# KiCad board mainboard.kicad_pcb (continued)
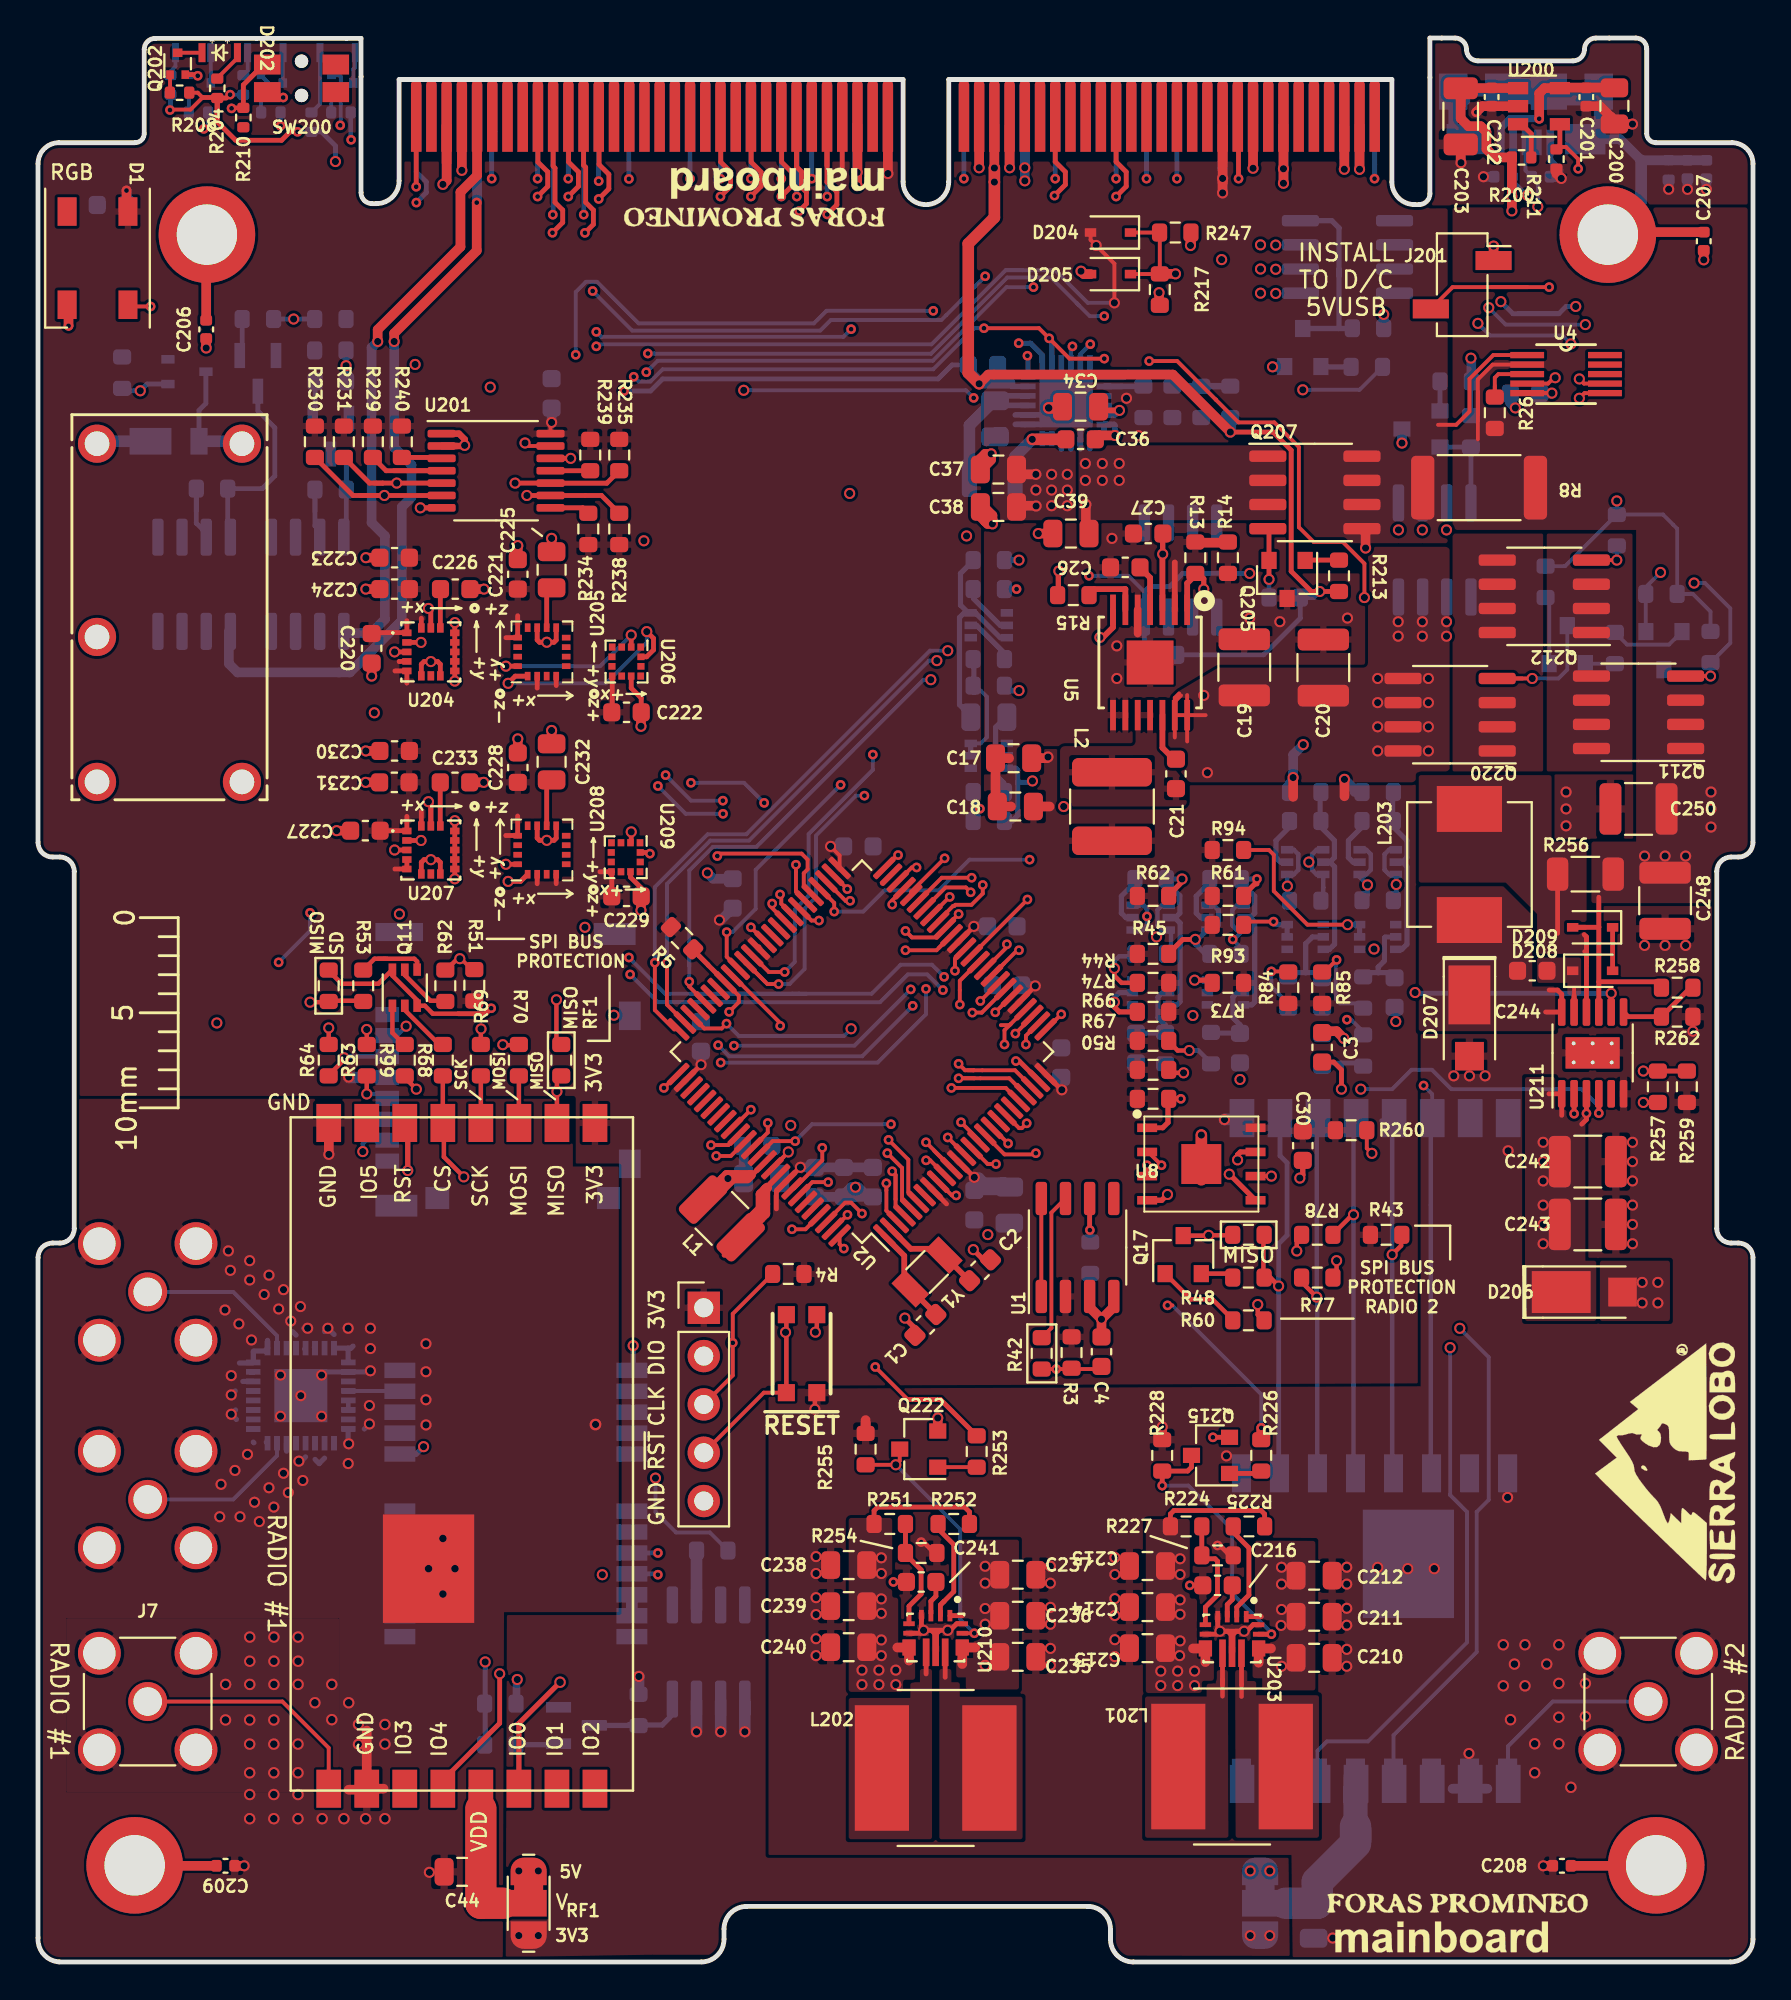
[diagram p0: board, top side]
## Routing (per net, layer and track width the routed paths; a pad name or vN(x,y) marks a point on that pad's centre or on a via; arc(x,y) is an arc through that point) (continued)
  Bottom w0.254: 28.7,96.56 28.7,94.47 ; 28.7,94.47 28.7,91.85 ; 28.7,94.47 28.7,94.67
PC03: length 67.6
  Top w0.203: 28.69,90.84 v3(28.76,90.9) ; v3(44.72,43.22) 45.76,42.18 45.76,40.47 U2.6
  Top w0.254: v3(28.76,90.9) 29.2,91.35 29.2,92.1 28.79,92.51 28.79,94.35 28.68,94.46 P1.24
  In2.Cu w0.203: v3(28.76,90.9) 31.56,90.9 35.28,87.18 35.28,80.85 35.47,80.66 ; 35.47,80.63 35.49,80.62 35.49,60.11 36.53,59.07 36.53,57.21 35.28,55.97 35.28,54.26 38.76,50.79 39.76,50.79 43.64,46.91 43.64,44.3 v3(44.72,43.22)
PC05: length 71.3
  Top w0.203: v3(48.02,45.95) 50.88,45.95 U2.21
  In2.Cu w0.203: v3(36.02,60.36) 36.86,59.52 36.86,57.66 37.68,56.83 37.68,54.93 46.67,45.95 v3(48.02,45.95) ; 25.78,92.38 25.78,89.15 ; 25.78,92.38 25.78,89.01 26.47,88.33 29.96,88.33 32.59,85.7 32.59,63.6 32.34,63.35 32.34,62.08 v3(32.59,61.82) ; 25.78,92.38 25.78,93.27 v3(26.27,93.75)
  Bottom w0.203: v3(32.59,61.82) 34.05,60.36 v3(36.02,60.36)
  Bottom w0.254: v3(26.27,93.75) 26.27,96.55 P1.17
PC06: length 70.3
  Top w0.203: U2.22 51.45,46.09 51.44,46.09 51.07,46.46 49.23,46.46 ; 49.23,46.46 48.59,46.46 ; 49.23,46.46 v3(48.4,46.46)
  Top w0.254: P1.18 26.28,94.62 26.8,94.11 26.8,93.34 v3(26.27,92.81)
  In2.Cu w0.203: v3(36.01,61.05) 37.19,59.87 37.19,57.79 38.01,56.97 38.01,55.19 46.75,46.46 v3(48.4,46.46) ; v3(26.27,92.81) 26.23,92.77 26.23,91.27 ; 26.23,91.27 26.23,89.33 26.9,88.66 28.68,88.66 ; 26.23,91.27 26.23,89.71 ; 28.12,88.66 28.68,88.66 ; 28.68,88.66 30.33,88.66 33,85.99 v3(33,62.4)
  Bottom w0.203: v3(33,62.4) 34.34,61.05 v3(36.01,61.05)
PC07: length 67.4
  Top w0.203: 49.19,46.88 48.74,46.88 v3(48.4,47.22) ; 49.19,46.88 48.89,46.88 ; 49.19,46.88 51.37,46.88 U2.23
  In2.Cu w0.203: v3(27.88,93.75) 27.4,93.27 27.4,92.26 27.55,92.1 27.55,90.02 27.92,89.65 30.99,89.65 34.24,86.4 34.24,62.08 v3(34.33,61.99) ; v3(48.4,47.22) 46.56,47.22 39.54,54.24 39.54,56.84 38.18,58.2 v3(38.18,60.93)
  Bottom w0.203: v3(38.18,60.93) 37.12,61.99 v3(34.33,61.99)
  Bottom w0.254: v3(27.88,93.75) 27.88,96.55
PC10: length 55.7
  Top w0.203: 47.37,53.31 U2.40 47.24,53.19 v3(45.61,53.19)
  In2.Cu w0.203: v3(45.61,53.19) 41.63,53.19 40.57,54.25 ; 40.57,54.25 40.8,54.01 ; 40.57,54.25 39.87,54.95 39.87,56.98 38.98,57.87 38.98,60.85 37.3,62.53 37.3,81.18 36.46,82.02 36.46,87.4 31.07,92.8 v3(31.07,93.74)
  Bottom w0.254: v3(31.07,93.74) 31.07,96.53
PC11: length 52
  Top w0.203: v3(45.61,54.2) 45.95,53.86 47.21,53.86 U2.41 47.68,54.36 v3(48.4,55.09)
  Top w0.254: 41.48,94.43 P1.56 41.48,93.57 42,93.06 42,92.38 v3(41.49,91.87)
  In2.Cu w0.203: 46.18,60.36 41.49,65.05 v3(41.49,91.87) ; 46.18,60.36 45.99,60.55 ; 46.18,60.36 48.15,58.39 48.15,56.93 47.45,56.23 47.45,55.34 47.71,55.09 v3(48.4,55.09) ; 45.99,60.55 45.86,60.68 ; 45.99,60.55 45.82,60.72
RF1_ANT: length 12.7
  Top w0.203: U23.1 15.28,11.26 12.85,13.69 J7.1
RF1_CS: length 31.3
  Top w0.203: 35.24,52.4 35.24,52.45 R5.2 ; U2.68 36.85,50.8 36.85,50.46 v3(36.34,49.95)
  Top w0.235: 21.34,44.05 21.34,42.32 v1(22.39,41.27) ; 21.28,46.62 U23.13
  Top w0.254: U2.68 34.75,52.89
  In2.Cu w0.203: v1(22.39,41.27) 31.49,41.27 37.12,46.9 37.12,49.17 v3(36.34,49.95)
RF1_IO0: length 46
  Top w0.203: U2.10 46.91,42.14 v3(46.69,42.14)
  Top w0.272: v2(27.45,14.71) 25.28,12.54 U23.6
  In2.Cu w0.203: v3(46.69,42.14) 44.64,40.09 44.64,30.25 43.82,29.43 43.82,26.27 37.88,20.34 34.48,20.34 28.84,14.71 v2(27.45,14.71) 27.47,14.71
RF1_IO4: length 52
  Top w0.203: v3(48.28,40.3) 48.05,40.3 U2.9 ; U2.9 47.3,41.02 ; U2.9 46.85,41.49
  Top w0.254: U23.4 21.28,9.56 24.27,12.55 v1(24.27,15.15)
  Top w0.272: 21.31,9.14 U23.4
  In2.Cu w0.203: v1(24.27,15.15) 24.56,15.44 25.5,15.44 26.81,14.14 28.91,14.14 34.59,19.82 38.08,19.82 44.27,26.01 44.27,29.25 44.97,29.95 44.97,39.03 46.24,40.3 v3(48.28,40.3)
RF1_RST: length 25.5
  Top w0.203: 41.07,39.25 U2.97 40.35,38.52 v3(39.64,38.52)
  Top w0.279: 19.28,43.83 19.44,43.68 v1(19.44,41.61)
  In2.Cu w0.203: v3(39.64,38.52) 38.83,39.33 21.72,39.33 v1(19.44,41.61)
RF2_CS: length 47.6
  Top w0.203: v3(52.47,42.52) 52.4,42.46 50.82,42.46 50.27,43 50.27,43.02 U2.16
  Top w0.235: 64.43,33.73 64.13,34.03 v1(64.13,34.56) ; v1(71.2,37.19) 71.67,37.66 71.67,38.23
  In2.Cu w0.203: v3(52.47,42.52) 53.05,42.52 61,34.56 v1(64.13,34.56) 64.76,33.93 67.95,33.93 v1(71.2,37.19)
  Bottom w0.235: U15.5 71.2,25.76 71.2,37.12 ; v1(71.2,37.19) 71.2,44.04 71.27,44.11 ; 70.64,44.23 70.82,44.05
RF2_IO0: length 60.4
  Top w0.203: U2.13 v3(47.83,43.35)
  In2.Cu w0.203: v1(74.25,32.3) 73.42,33.12 58.31,33.12 48.08,43.35 v3(47.83,43.35)
  Bottom w0.203: v1(74.25,32.3) 74.25,24.55 75.14,23.66 75.14,16.8 69.93,11.6 67.77,11.6 67.27,11.1 67.27,9.11
RF2_IO4: length 56.6
  Top w0.203: 49.15,42.79 U2.14 49.94,41.95 v3(50.37,41.95)
  In2.Cu w0.203: v3(50.37,41.95) 58.82,33.5 74.56,33.5 v1(74.75,33.31)
  Bottom w0.203: v1(74.75,33.31) 76.28,31.79 76.28,24.3 75.64,23.66 75.64,16.29 71.27,11.92 71.27,9.11
RF2_RST: length 58.7
  Top w0.203: U2.36 48.47,51.58 v3(48.47,50.33)
  In2.Cu w0.203: v3(72.85,46.08) 72.28,46.65 68.09,46.65 67.71,46.27 67.71,41.31 66.12,39.73 58.94,39.73 52.02,46.65 51.45,46.65 48.47,49.63 v3(48.47,50.33)
  Bottom w0.203: U24.14 73.3,45.62 v3(72.85,46.08)
  Bottom w0.235: 73.28,25.57 73.23,25.62 73.23,44.45 73.28,44.5
RTS_MCU_3: length 52.6
  Top w0.203: U2.44 47.72,56.49 48.78,56.49 v3(49.04,56.24)
  In2.Cu w0.203: v3(49.04,56.24) 48.61,56.67 48.61,58.85 ; 48.61,58.85 48.61,59.23 ; 48.61,58.85 48.61,59.52 48.02,60.11 48.02,61.44 43.32,66.14 43.32,87.56 48.71,92.95 52.68,92.95 v3(53.48,93.75)
  Bottom w0.254: v3(53.48,93.75) 53.48,96.55
RTS_MCU_4: length 47.9
  Top w0.203: U2.58 39.08,55.63 39.08,56.06 v3(39.01,56.12)
  Top w0.254: 29.5,96.44 29.5,94.5 30.01,93.98 30.01,93.22 v3(29.48,92.68)
  In2.Cu w0.203: 39,56.8 39,56.14 v3(39.01,56.12) 39.01,56.9 37.85,58.07 37.85,60.36 36.87,61.34 36.87,80.89 36.07,81.69 36.07,87.33 30.71,92.68 v3(29.48,92.68) ; v3(29.48,92.68) 29.61,92.56 ; v3(29.48,92.68) 29.63,92.53
RX_MCU: length 24.9
  Top w0.203: v3(42.37,37.5) 42.15,37.73 U2.100
  In2.Cu w0.203: v3(32.59,21.5) 37.18,21.5 42.37,26.69 v3(42.37,37.5)
  Bottom w0.254: U14.20 32.59,21.5 v3(32.59,21.5)
RX_MCU_2: length 44.2
  Top w0.203: U2.52 v3(42.55,56.4)
  In2.Cu w0.203: 37,92.84 37,89.23 38.43,87.8 38.43,62.8 42.55,58.68 v3(42.55,56.4) ; 37,92.84 37,92.32 ; 37,92.84 37,93.27 v3(37.48,93.75)
  Bottom w0.254: v3(37.48,93.75) 37.48,96.55
  Bottom w0.272: 37.48,96.56 P1.45
RX_MCU_3: length 54.1
  Top w0.203: v3(49.67,56.62) 49.67,56.17 49.08,55.58 48.23,55.58 48.16,55.51 48.1,55.51 47.33,54.73 U2.42
  In2.Cu w0.203: v3(56.68,93.75) 55.22,92.29 49.32,92.29 44.4,87.38 44.4,66.4 48.73,62.06 48.73,60.69 49.67,59.75 v3(49.67,56.62)
  Bottom w0.254: v3(56.68,93.75) 56.68,96.55
RX_MCU_4: length 45.6
  Top w0.203: 40.38,55.75 U2.56 39.85,56.28 v3(39.85,57.68)
  In2.Cu w0.203: 35.4,92.13 35.4,91.66 ; 35.4,92.13 35.4,91.21 ; 35.4,92.13 35.4,93.27 ; 35.4,91.66 35.4,91.08 ; 35.4,91.66 35.4,89.56 37.67,87.29 37.67,62.62 39.85,60.44 v3(39.85,57.68) ; v3(35.88,93.75) 35.4,93.27 ; 35.4,93.27 35.4,92.27
  Bottom w0.254: v3(35.88,93.75) 35.88,96.55
SCK: length 113.8
  Top w0.203: U2.47 44.91,55.81 v3(44.91,55.59)
  Top w0.235: v1(23.29,49.05) 23.28,49.04 23.28,48.2 ; v1(17.28,49.02) 17.28,49.02 17.28,48.2 ; v1(66.18,37.38) 66.18,37.93 66.47,38.23
  In2.Cu w0.203: 38.6,92.91 38.6,92.27 ; 38.6,92.91 38.6,89.28 39.26,88.62 39.26,62.9 44.91,57.25 v3(44.91,55.59) 45.3,55.59 46.18,54.71 46.18,52.17 45.41,51.4 45.41,51.04 ; 38.6,92.91 38.6,93.27 v3(39.08,93.75) ; 45.41,50.9 45.41,51.04 ; 45.41,51.04 45.41,50.85 v3(45.99,50.27) 46.18,50.27 51.13,45.31 51.39,45.31 ; 51.39,45.31 51.66,45.31 53.05,43.93 ; 51.39,45.31 51.64,45.31 ; 53.05,43.93 59.6,37.38 v1(66.18,37.38) ; 53.05,43.93 52.81,44.17 ; v1(23.29,49.05) 23.27,49.03 ; v1(23.29,49.05) 22.29,49.05 21.8,48.55 17.75,48.55 v1(17.28,49.02) 17.29,49.03 ; v1(23.29,49.05) 29.87,49.05 ; v3(35.76,48.2) 34.9,49.05 29.87,49.05 ; 29.87,49.05 31.71,49.05
  Bottom w0.203: v3(35.76,48.2) 36.34,47.61 43.34,47.61 v3(45.99,50.27)
  Bottom w0.254: v3(39.08,93.75) 39.08,96.55
SCK_RF1: length 2.5
  Top w0.235: 23.28,46.62 U23.12
SCK_RF2: length 21.4
  Top w0.235: v1(69.17,39.28) 69.1,39.28 68.05,38.23
  Bottom w0.235: 68.92,43.57 68.92,44.85 ; 69.29,25.57 69.17,25.69 69.17,39.28 v1(69.17,39.28) 69.17,44.05
SCK_SD: length 2.2
  Top w0.235: 17.28,46.62 17.28,46.62 v1(17.28,45.63)
  Bottom w0.235: J1.5 18.13,45.63 v1(17.28,45.63)
SCL: length 92.6
  Top w0.203: v3(50.94,53.51) 50.94,53.35 U2.35 49.84,52.21
  Top w0.235: v1(60.85,53.76) 60.21,53.76 R45.2 ; 59.41,53 60.17,53.75 60.99,53.75
  In2.Cu w0.203: 45.23,86.21 45.23,87.27 ; 45.23,86.21 45.23,66.54 48.22,63.55 ; 45.23,86.21 45.23,86.53 ; 45.23,87.27 49.59,91.63 56.52,91.63 58.28,93.39 v3(58.28,93.75) ; 45.23,87.27 45.23,86.53 ; v1(60.85,53.76) 61.51,54.42 63.55,54.42 65.64,56.5 65.64,56.56 ; v1(60.85,53.76) 60.15,54.46 58.31,54.46 57.74,53.89 57.74,52.24 57.22,51.71 56.34,51.71 55.95,52.1 ; v1(60.85,53.76) 61.23,54.14 ; v3(50.94,53.51) 50.94,53.31 ; v3(50.94,53.51) 50.94,60.83 48.22,63.55 ; v3(50.94,53.51) 50.94,53.06 51.32,52.68 55.38,52.68 55.95,52.1 ; 55.87,52.18 55.95,52.1 ; 45.23,87.22 45.23,86.53 ; 48.22,63.55 47.81,63.96
  Bottom w0.235: 61.61,52.74 60.85,53.51 v1(60.85,53.76) 60.85,53.54 60.99,53.4 ; 60.99,53.75 60.99,53.4 ; 60.99,53.4 61.65,52.74 ; Q15.3 66.03,58.47 66.26,58.23 66.26,57.41 66.03,57.17 65.68,57.17 65.68,56.57 v1(65.69,56.56) 65.69,55.81 65.84,55.66
  Bottom w0.254: v3(58.28,93.75) 58.28,96.55 ; v1(60.85,53.76) 60.99,53.76 Q7.1 61.82,54.25 62.06,54.5 62.06,55.31 61.82,55.55 Q7.3
SCL_IMU: length 84.3
  Top w0.235: 59.41,48.43 59.92,47.92 v1(60.53,47.92)
  Top w0.254: U201.12 v1(28,79.05)
  In2.Cu w0.203: 31.51,52.3 v3(31.13,51.92) 33.05,53.84 33.05,59.14 29.73,62.46 29.73,77.32 v1(28,79.05) ; v3(62.82,53.76) 62.82,50.2 v1(60.53,47.92) 60.53,47.41 60.98,46.96 60.98,46.65 60.47,46.14 58.94,46.14 53.23,51.85 50.31,51.85 49.55,51.09 v3(47.58,51.09)
  Bottom w0.203: v3(47.58,51.09) 46.75,51.92 45.74,51.92 44.27,50.46 36.02,50.46 ; v3(31.13,51.92) 32.59,50.46 36.02,50.46 ; 36.02,50.46 32.78,50.46 ; R97.1 63.26,53.32 v3(62.82,53.76) 62.89,53.76 Q7.6
  Bottom w0.235: 63.4,54.24 Q7.6 63.04,54.25 62.8,54.49 62.8,55.31 63.04,55.55 Q7.4 ; 63.22,52.74 63.4,52.92 ; 61.67,47.26 61.01,47.92 v1(60.53,47.92)
SCL_PWR: length 100.6
  Top w0.203: R84.2 65.71,52.08 65.04,52.08 ; v1(81.04,82.21) 81.31,82.48 U4.6
  Top w0.235: 65.74,51.85 65.74,52.01 65.88,52.15
  In2.Cu w0.203: 51.13,81.17 51.13,79.1 ; 65.63,52.08 69.05,55.5 69.55,55.5 70.5,56.45 70.5,57.38 70.06,57.82 v1(66.82,57.82) 66.82,59.71 62.25,64.28 62.25,72.36 59.9,74.71 58.63,74.71 58.23,74.32 52.29,74.32 51.13,75.48 51.13,79.41 ; 65.63,52.08 v3(64.85,52.08) ; 65.63,52.08 65.04,52.08 ; 51.13,79.41 51.13,82.55 54.03,85.46 54.92,85.46 v3(55.33,85.05) 55.33,80.68 56.29,79.72 58.96,79.72 59.9,78.78 68.79,78.78 70.88,80.87 79.71,80.87 v1(81.04,82.21) ; 51.13,79.41 51.13,79.79
  Bottom w0.203: 66.99,57.41 66.99,57.65 v1(66.82,57.82) 66.99,57.99 66.99,58.23 ; 65.74,50.39 65.26,50.87 ; 65.26,50.87 64.85,51.28 v3(64.85,52.08) ; 65.26,50.87 65.03,51.1
  Bottom w0.235: 67.41,55.66 67.57,55.82 67.57,56.48 67.58,56.49 67.58,57.17 67.23,57.17 66.99,57.41 66.99,58.23 67.23,58.47 Q15.4 ; U17.5 54.8,84.53 v3(55.33,85.05) ; 65.74,50.43 65.38,50.43
SD_CS: length 33.3
  Top w0.203: U2.87 38.37,43.61 v3(38.37,44.11) ; 22.81,52.17 22.24,52.74 22.05,52.74
  Top w0.235: 21.28,52.11 21.42,52.11 22.05,52.74
  In2.Cu w0.203: v1(19.36,49.19) 19.36,52.02 20.08,52.74 22.05,52.74 23.4,51.4 33.67,51.4 34.01,51.05 35.97,51.05 38.37,48.66 v3(38.37,44.11)
  Bottom w0.235: J1.2 18.86,48.7 v1(19.36,49.19)
  vias: v1(22.18,52.74)
SDA: length 93.2
  Top w0.203: v3(51.58,53.19) 51.48,53.19 U2.34 50.79,52.49
  Top w0.235: v1(56.59,52.24) 56.59,51.85 56.97,51.47 57.84,51.47
  In2.Cu w0.203: v1(69.9,56.62) 69.31,56.03 66.99,56.03 65.94,57.08 65.44,57.08 65.36,57 63.32,54.97 v3(58.31,54.97) 57.61,54.97 56.59,53.95 v1(56.59,52.24) ; v1(56.59,52.24) 55.64,53.19 v3(51.58,53.19) 51.58,54.65 51.32,54.9 51.32,60.91 45.61,66.63 45.61,86.14 ; v1(56.59,52.24) 56.09,52.74 ; 45.61,86.46 45.61,86.14 ; 45.61,86.14 45.61,86.97 49.94,91.3 57.43,91.3 v3(59.88,93.75)
  Bottom w0.235: Q16.3 69.84,58.47 70.07,58.23 70.07,57.41 69.84,57.17 69.49,57.17 69.49,57.04 v1(69.9,56.62) 69.9,56.09 69.65,55.84 ; 57.48,53.1 57.71,52.87 56.85,52.87 56.59,52.62 v1(56.59,52.24)
  Bottom w0.254: v3(59.88,93.75) 59.88,96.55 ; 57.88,54.25 Q8.1 58.1,54.25 58.31,54.46 58.31,55.37 58.13,55.55 Q8.3 57.88,55.55
SDA_IMU: length 88
  Top w0.203: v1(25.61,79.86) 25.77,79.7 U201.13
  Top w0.235: v1(60.23,46.74) 59.57,46.74 59.41,46.9
  In2.Cu w0.203: v1(25.61,79.86) 29.09,76.38 29.09,62.64 32.72,59.01 32.72,54.46 v3(31.07,52.81) ; 47.7,51.92 47.58,51.92 ; v1(60.23,46.74) 60.01,46.96 60.01,47.71 ; 60.01,47.71 60.01,52.69 v1(58.81,53.89) 58.81,52.61 57.55,51.35 56.09,51.35 55.13,52.3 50.18,52.3 49.35,51.47 47.96,51.47 v3(47.64,51.79) ; 60.01,47.71 60.01,46.79
  Bottom w0.203: 40.02,50.9 39.64,50.9 ; 40.02,50.9 40.4,50.9 ; 40.02,50.9 32.97,50.9 v3(31.07,52.81) ; 39.64,50.9 37.86,50.9 ; 39.64,50.9 43.83,50.9 45.35,52.43 47.01,52.43 v3(47.64,51.79) ; 37.86,50.9 34.62,50.9 ; 37.86,50.9 35.7,50.9
  Bottom w0.235: Q8.4 59.1,55.55 58.86,55.31 58.86,54.49 59.1,54.25 Q8.6 ; Q8.6 59.17,54.25 v1(58.81,53.89) ; Q8.6 59.57,54.13 59.57,53.03 59.29,52.74 ; 59.26,47.26 59.29,47.26 59.8,46.74 v1(60.23,46.74)
SDA_PWR: length 93.7
  Top w0.203: v1(81.04,83.22) 81.29,82.98 U4.7 ; R85.2 67.64,52.04 68.15,52.55
  Top w0.235: 67.36,52.01 67.55,52.01
  In2.Cu w0.203: 51.59,78.98 51.59,76.48 52.28,75.79 59.45,75.79 63.15,72.1 63.15,66.13 71.41,57.86 v1(71.41,56.64) 69.55,54.78 69.55,53.95 v3(68.28,52.68) ; 51.59,78.98 51.59,78.7 ; 51.59,78.98 51.59,82.28 54.24,84.94 v3(54.39,84.94) 54.89,84.43 54.89,80.42 56.01,79.3 58.74,79.3 59.77,78.27 68.98,78.27 71.14,80.43 80.22,80.43 81.74,81.95 81.74,82.52 v1(81.04,83.22)
  Bottom w0.203: 68.23,52.6 68.23,50.63 68.47,50.39 69.67,50.39
  Bottom w0.235: v1(71.41,56.64) 71.41,57.15 71.39,57.17 71.04,57.17 70.8,57.41 70.8,58.23 71.04,58.47 Q16.4 ; v1(71.41,56.64) 71.41,56.53 71.39,56.5 ; v1(71.41,56.64) 71.41,55.96 71.25,55.79 ; U17.4 54.3,84.85 v3(54.39,84.94)
STAT: length 58.9
  Top w0.203: v3(49.74,85.89) 52.63,85.89 v3(53.16,85.36) 54.23,84.29 v3(56.06,84.29)
  Top w0.279: 55.6,81.32 55.6,81.34 55.83,81.57
  Top w0.3: v1(56.86,81.57) 55.83,81.57
  In2.Cu w0.203: v3(56.06,84.29) 56.06,82.37 v1(56.86,81.57) ; v3(31.32,83.34) 31.24,83.41 31.24,85.12 29.71,86.65 21.54,86.65 16.46,91.73 v3(16.46,95.8)
  Bottom w0.203: v3(49.74,85.89) 49.23,85.89 47.07,83.73 32.84,83.73 32.2,83.08 31.57,83.08 v3(31.32,83.34)
  Bottom w0.235: R209.2 16.44,95.82
  Bottom w0.254: U17.2 53.3,84.84
  Bottom w0.272: U17.2 53.3,85.22 v3(53.16,85.36)
  Bottom w0.3: U17.11 56.62,81.33 v1(56.86,81.57)
SWCLK: length 25.2
  Top w0.203: v3(41.23,42.8) 41.23,42.15 39.76,40.67 U2.93 ; J2.3 36.53,30.84 v3(36.53,32.55) 36.53,34.07 R4.2
  In2.Cu w0.203: v3(41.23,42.8) 41.04,42.6 41.04,34.05 39.54,32.55 v3(36.53,32.55)
SWDIO: length 17
  Top w0.203: U2.94 40.71,41 v3(41.54,41)
  In2.Cu w0.203: v3(41.54,41) 41.54,32.68 40.72,31.85 J2.2
THM: length 7.3
  Bottom w0.338: U17.7 57.08,83.33 57.29,83.54 59.45,83.54 59.64,83.35 R46.2 R34.2
TX: length 0.1
  Bottom w0.235: 29.71,20.4 v1(29.67,20.36)
TX_MCU: length 28.1
  Top w0.203: v3(42.56,39.28) 41.83,38.55 U2.99
  In2.Cu w0.203: v3(32.59,20.36) 33.35,21.12 37.26,21.12 42.94,26.8 42.94,38.9 v3(42.56,39.28)
  Bottom w0.254: v3(32.59,20.36) 32.55,20.4 U14.21
TX_MCU_2: length 45.9
  Top w0.203: U2.53 42.46,55.79 v3(42.7,55.79)
  Top w0.254: 37.5,96.56 37.5,94.62 38.01,94.11 38.01,93.34 v3(37.48,92.81)
  In2.Cu w0.203: v3(42.7,55.79) 43.11,56.2 43.11,58.59 38.88,62.82 38.88,88.3 37.48,89.7 v3(37.48,92.81) 37.48,92.31
TX_MCU_3: length 55.5
  Top w0.203: U2.43 47.92,55.99 v3(47.94,55.99)
  Top w0.254: v3(56.68,92.81) 57.22,93.34 57.22,94.11 56.68,94.64 P1.86
  In2.Cu w0.203: v3(56.68,92.81) 55.83,91.96 49.45,91.96 44.78,87.29 44.78,66.52 50.16,61.15 50.16,56.38 49.51,55.74 48.19,55.74 v3(47.94,55.99)
TX_MCU_4: length 46.5
  Top w0.203: U2.57 40.67,54.75 v3(41.06,54.75)
  Top w0.254: 35.9,96.56 35.9,94.62 36.41,94.11 36.41,93.34 v3(35.88,92.81)
  In2.Cu w0.203: v3(41.06,54.75) 41.06,59.7 38.05,62.71 38.05,87.54 35.88,89.71 35.88,92.29 ; 35.88,92.29 35.88,91.73 ; 35.88,92.29 v3(35.88,92.81) ; v3(35.88,92.81) 35.99,92.7 ; v3(35.88,92.81) 35.93,92.76
USB_D+: length 94
  Top w0.203: v3(32.43,52.54) 32.43,50.05 33.45,49.03 U2.75
  In2.Cu w0.203: v1(47.83,68.94) 47.55,69.22 47.55,82.75 48.75,83.95 51.39,83.95 51.89,84.44 v3(52.02,84.44) 52.15,84.57 52.15,85.83 52.33,86 55.08,86 61.68,79.41 67.38,79.41 71.12,83.15 77.4,83.15 78.86,84.61 v1(78.86,92.28) 78.83,92.25
  In2.Cu w0.272: 51.93,84.44 v3(52.02,84.44)
  Bottom w0.203: J200.3 78.21,94.18 Z200.1 78.86,93.54 v1(78.86,92.28) ; v3(32.43,52.54) 32.43,56.51 35.21,59.28 37.24,59.28 46.89,68.94 v1(47.83,68.94)
  Bottom w0.254: v1(78.86,92.28) 78.86,92.15
  Bottom w0.272: v3(52.02,84.44) 52.05,84.41 U17.24
  Bottom w0.279: 52.28,83.32 52.27,83.33 U17.24 52.3,83.33
USB_D-: length 92.8
  Top w0.203: U2.74 33.07,50.33 v3(33.07,52.53)
  In2.Cu w0.203: v1(47.26,68.41) 46.97,68.71 46.97,82.81 49.26,85.1 v3(51.56,85.1) 51.56,85.85 52.07,86.36 55.25,86.36 61.86,79.74 67.24,79.74 70.98,83.48 77.27,83.48 78.53,84.74 78.53,91.85 78.31,92.06 v1(78.31,92.88)
  Bottom w0.203: v1(47.26,68.41) 46.85,68.41 37.38,58.95 35.35,58.95 33.07,56.67 v3(33.07,52.53) ; J200.2 77.56,93.89 Z201.1 77.52,93.67 v1(78.31,92.88)
  Bottom w0.272: v3(51.56,85.1) 52.18,85.1 52.8,84.48 U17.1
VBURN1: length 42.8
  Top w0.508: v1(18.73,85.19) 18.73,85.62 23.07,89.96 v3(23.07,92.49)
  Bottom w0.508: v1(18.73,85.19) 18.73,79.63 19.64,78.71 19.64,77 19.13,76.49 19.13,70.52 16.4,67.79 10.49,67.79 10.04,68.25 10.04,69.96 ; v3(23.07,92.49) 23.08,92.51 P1.9 23.08,94.31
VBURN2: length 30.9
  Top w0.508: v1(17.86,85.19) 17.86,85.81 22.21,90.17 22.21,93.04 23.08,93.92 P1.10
  Bottom w0.508: 16.23,69.86 17.52,69.86 18.24,70.59 18.24,74.97 17.54,75.67 17.54,84.87 v1(17.86,85.19)
VCHRG_USB: length 3
  Top w0.508: 55.1,75.1 v1(55.1,76.62)
  Bottom w0.279: U17.14 54.8,79.87 ; U17.13 55.3,79.88
  Bottom w0.3: U17.13 55.3,79.56 ; U17.14 54.8,79.55
  Bottom w0.508: 55.1,76.6 v1(55.1,76.62)
  vias: v1(55.07,78.78) v1(55.07,77.89) v1(55.96,78.78) v1(55.96,77.89) v1(56.85,78.78) v1(56.85,77.89)
VSOLAR: length 17.6
  Top w0.508: v1(54.84,88.89) 54.99,88.73 D205.2 ; P1.117 69.48,94.21 ; P1.7 22.28,94.25
  In2.Cu w0.203: v1(54.84,88.89) 59.02,88.89 59.44,89.31 62.04,89.31 v1(62.23,89.5)
  Bottom w0.508: P1.117 v1(69.48,94.25) ; P1.7 v1(22.28,94.19)
  vias: v1(84.34,35.73) v1(84.34,34.65) v1(85.17,35.73) v1(85.17,34.65)
WDT_WDI: length 29.6
  Top w0.203: U2.73 35.03,49.08 35.95,49.08 v3(36.2,49.33) ; U1.6 55.29,40.14
  Top w0.254: U1.6 55.29,38.49 v3(55.3,38.47)
  In2.Cu w0.203: 49.35,43.66 51.26,43.66 51.58,43.35 51.58,42.2 v3(55.3,38.47) ; 49.35,43.66 48.91,43.66 ; 49.35,43.66 48.28,43.66 42.88,49.06 v1(42.75,49.06)
  Bottom w0.203: v1(42.75,49.06) 42.37,48.68 36.85,48.68 v3(36.2,49.33)
  Bottom w0.254: R7.2 55.32,38.46 v3(55.3,38.47)
~{CHRG}: length 54.7
  Top w0.203: 69.86,43.73 69.86,42.78 v1(70.13,42.51) ; U2.15 49.45,43.23 v3(48.53,44.15)
  Top w0.254: U211.4 v3(82.06,44.62)
  In2.Cu w0.203: 68.98,35.47 68.63,35.12 ; 68.63,35.12 67.77,34.26 65.17,34.26 64.28,35.15 60.88,35.15 52.55,43.48 51.91,43.48 51.24,44.15 v3(48.53,44.15) ; 68.63,35.12 70.13,36.63 v1(70.13,42.51) ; v1(70.13,42.51) 70.11,42.51 69.99,42.39 ; v1(70.13,42.51) 70.13,45.3 v1(69.55,45.89)
  Bottom w0.203: v1(69.55,45.89) 71.2,45.89 72.21,46.9 73.29,46.9 74.31,45.89 81.16,45.89 82.06,44.98 v3(82.06,44.62)
~{RESET}: length 152.7
  Top w0.203: 11.1,99.01 11.84,99.75 SW200.1 11.88,99.75 ; U2.88 38.62,43.15 v3(39.81,43.15) ; C4.2 55.78,31.17 v3(53.54,31.17) R42.1 ; J2.4 38.16,29.93 SW1.A'
  Top w0.235: R210.2 10.2,97.47 v3(10.18,97.45) ; SW1.A 39.35,33.15 ; SW1.A' 39.35,33.06
  Top w0.254: SW200.1 11.87,99.75 10.8,98.68 R210.2
  In2.Cu w0.203: v3(53.54,31.17) 53.54,36.12 48.69,40.96 48.69,41.79 46.43,44.04 v3(44.85,44.04) ; v3(48.68,93.75) 48.68,93.39 42.75,87.46 v3(42.75,85.84) ; 30.3,83.73 30.3,83.54 ; 30.3,83.73 30.3,84.75 v3(29.35,85.7) 21.33,85.7 10.18,96.85 v3(10.18,97.45) ; 30.3,83.73 30.3,62.35 32.89,59.77 ; 32.89,59.77 33.11,59.55 ; 32.89,59.77 33.38,59.28 33.38,54.11 38.94,48.55 38.94,43.66 39.45,43.15 v3(39.81,43.15) 40.71,42.25 40.71,34.51 v1(39.3,33.1)
  Bottom w0.203: v3(44.85,44.04) 40.7,44.04 v3(39.81,43.15) ; v3(29.35,85.7) 29.62,85.43 42.34,85.43 v3(42.75,85.84)
  Bottom w0.254: v3(48.68,93.75) 48.68,96.55 ; 48.66,96.54 P1.65
Net-(C6-Pad1): length 12.2
  Bottom w0.272: Q3.3 48.91,70.92 48.5,71.33 48.5,73 49.2,73.7 ; Q3.3 48.69,70.92 48.45,70.68 48.45,66.09 49.2,65.34 49.2,65.32 ; Q3.3 49.29,70.92 50.59,69.62 Q3.6
Net-(C6-Pad2): length 4.7
  Bottom w0.272: 50.78,65.32 50.75,65.32 50.35,64.92 50.35,63.65 50.59,63.41 ; 50.59,63.41 50.35,63.17 50.35,62.41 50.78,61.98 50.78,61.51 ; 50.59,63.41 Q2.5
Net-(C8-Pad1): length 4.2
  Bottom w0.272: 61.67,48.83 63.2,48.83 63.2,49.27 62.82,49.64 62.82,50.73 63.06,50.97 Q12.5
Net-(C12-Pad2): length 9.9
  Top w0.254: 37.48,41.38 37.55,41.38 U2.89
  Top w0.508: 35.47,40.13 36.72,41.38 ; 36.02,41.19 v1(36.27,41.19) 37.29,41.19 ; 37.35,41.25 37.48,41.38 36.21,41.38 34.97,40.13 L1.1
  Bottom w0.508: v1(36.27,41.19) C14.1 37.1,42.83 C12.2
Net-(C21-Pad2): length 2.7
  Top w0.305: 59.83,63.25 59.71,63.25 59.12,63.83 U5.12
Net-(C26-Pad1): length 2.4
  Top w0.305: 57.95,73.32 57.95,73.29 58.47,72.77 U5.4
Net-(C27-Pad1): length 11.1
  Top w0.279: 53.65,72.24 53.65,73.1 v1(53.67,73.13) ; v1(59.13,74.02) 59.13,75.39 59.16,75.41
  Top w0.305: v1(59.13,74.02) 59.12,74 U5.3
  In2.Cu w0.203: v1(53.67,73.13) 53.93,73.38 58.5,73.38 v1(59.13,74.02)
Net-(C32-Pad2): length 3.2
  Top w0.203: 78.31,82.46 U4.5 ; U4.5 v1(79.6,82.48) ; U4.5 79.5,82.48
  Bottom w0.508: v1(79.6,82.48) 79.58,82.46 C32.2
Net-(C35-Pad2): length 8.2
  Bottom w0.279: 50.52,82.33 50.32,82.13 50.62,81.83
  Bottom w0.3: U17.22 50.52,82.33 ; U17.21 50.62,81.83
  Bottom w0.61: 48.97,78.14 48.97,80.78 50.32,82.13
Net-(C36-Pad1): length 5.2
  Top w0.61: 54.03,80.05 v1(52.28,80.05)
  Bottom w0.272: 53.3,79.86 52.8,79.86 ; 53.3,80.3 52.8,80.3
  Bottom w0.61: v1(52.28,80.05) 51.37,79.15 51.37,78.14 ; 52.66,80.05 52.53,80.05
Net-(C36-Pad2): length 3.5
  Top w0.508: C36.2 55.79,80.25 v1(56.62,80.25)
  Top w0.61: 55.6,80.18 55.6,80.2
  Bottom w0.279: v1(56.62,80.25) 56.75,80.38 56.75,80.39
  Bottom w0.3: 56.62,80.78 v1(56.62,80.25) 56.2,80.25 56.05,80.4 U17.12 56.57,80.83 56.62,80.78
Net-(C40-Pad1): length 4.2
  Bottom w0.272: Q13.5 59.13,50.97 58.89,50.73 58.89,49.64 59.26,49.27 59.26,48.83 57.74,48.83
Net-(C41-Pad1): length 4.4
  Bottom w0.272: 67.52,52.01 66.65,52.01 ; 66.65,52.01 65.76,52.01 65.74,51.98 ; 66.65,52.01 66.65,53.53 67.01,53.89 Q18.5
Net-(C42-Pad1): length 4.2
  Bottom w0.203: 70.77,52.6 70.76,52.59
  Bottom w0.254: Q19.5 70.83,53.89 70.79,53.85 70.79,52.63 70.77,52.6
  Bottom w0.272: 70.76,52.59 70.46,52.3 70.46,52.01 ; 70.46,52.01 69.55,52.01 ; 70.46,52.01 71.2,52.01
Net-(C200-Pad1): length 8.2
  Top w0.508: 82.7,98.54 80.05,98.54 U200.5 79.21,98.51 78.93,98.23 v3(78.93,96.9)
  Bottom w0.381: J200.1 76.91,96.41 77.4,96.9 v3(78.93,96.9)
Net-(C216-Pad2): length 1.8
  Top w0.254: C216.2 62.79,19.05 62.53,18.79 U203.3
Net-(C225-Pad1): length 2.2
  Top w0.254: 26.74,70.15 26.74,71.98 C225.1
Net-(C226-Pad1): length 2
  Top w0.254: U204.14 21.15,72.17 21.16,72.17
Net-(C232-Pad1): length 2.5
  Top w0.254: U208.10 26.74,61.88 C232.1
Net-(C233-Pad1): length 2.3
  Top w0.254: C233.1 21.15,59.72 U207.14
Net-(C241-Pad2): length 1.8
  Top w0.254: C241.2 47.21,19.23 46.95,18.97 46.95,18.33
Net-(C242-Pad1): length 7.7
  Top w0.254: 79.44,45.64 U211.1 80.11,44.51 ; R257.1 v1(84.41,45.19) ; 81.41,45.64 v3(81.41,44.61) 81.41,44.29 81.17,44.04
  In2.Cu w0.254: v3(81.41,44.61) 81.41,44.97 81.64,45.19 v1(84.41,45.19)
  vias: v1(79.14,43.09) v1(79.14,42.08) v1(79.14,41.06) v1(79.14,39.79) v1(79.14,38.77) v1(79.14,37.76)
Net-(C244-Pad1): length 2.5
  Top w0.254: 79.45,51.09 79.9,51.09 80.11,50.88 U211.12 79.27,49.94
Net-(C244-Pad2): length 2.1
  Top w0.203: U211.11 80.76,51.2
  Top w0.272: U211.11 80.76,50.8
Net-(D1-Pad4): length 93.5
  Top w0.203: v3(34.24,51.54) 34.24,51.28 U2.71 ; D1.4 4.82,87.03 v3(5.92,87.03)
  In2.Cu w0.203: v1(46.94,67.41) 46.62,67.73 46.62,84.81 ; v3(28.27,84.49) 28.02,84.75 20.53,84.75 17.35,87.92 6.81,87.92 v3(5.92,87.03) ; 46.62,84.81 46.62,85.13 ; 46.62,84.81 46.62,86.36 v3(47.07,86.8)
  Bottom w0.203: v3(28.27,84.49) 28.27,87.8 28.81,88.33 29.39,88.33 31.58,86.14 40.79,86.14 41.46,86.8 v3(47.07,86.8) ; 34.24,52.36 34.24,52.87 ; 34.24,52.87 34.24,57.38 35.48,58.62 37.77,58.62 46.56,67.41 v1(46.94,67.41) ; 34.24,52.87 v3(34.24,51.54)
